# Altium PCB BGA_faser_v2.PcbDoc (part 4 of 5) (continued)
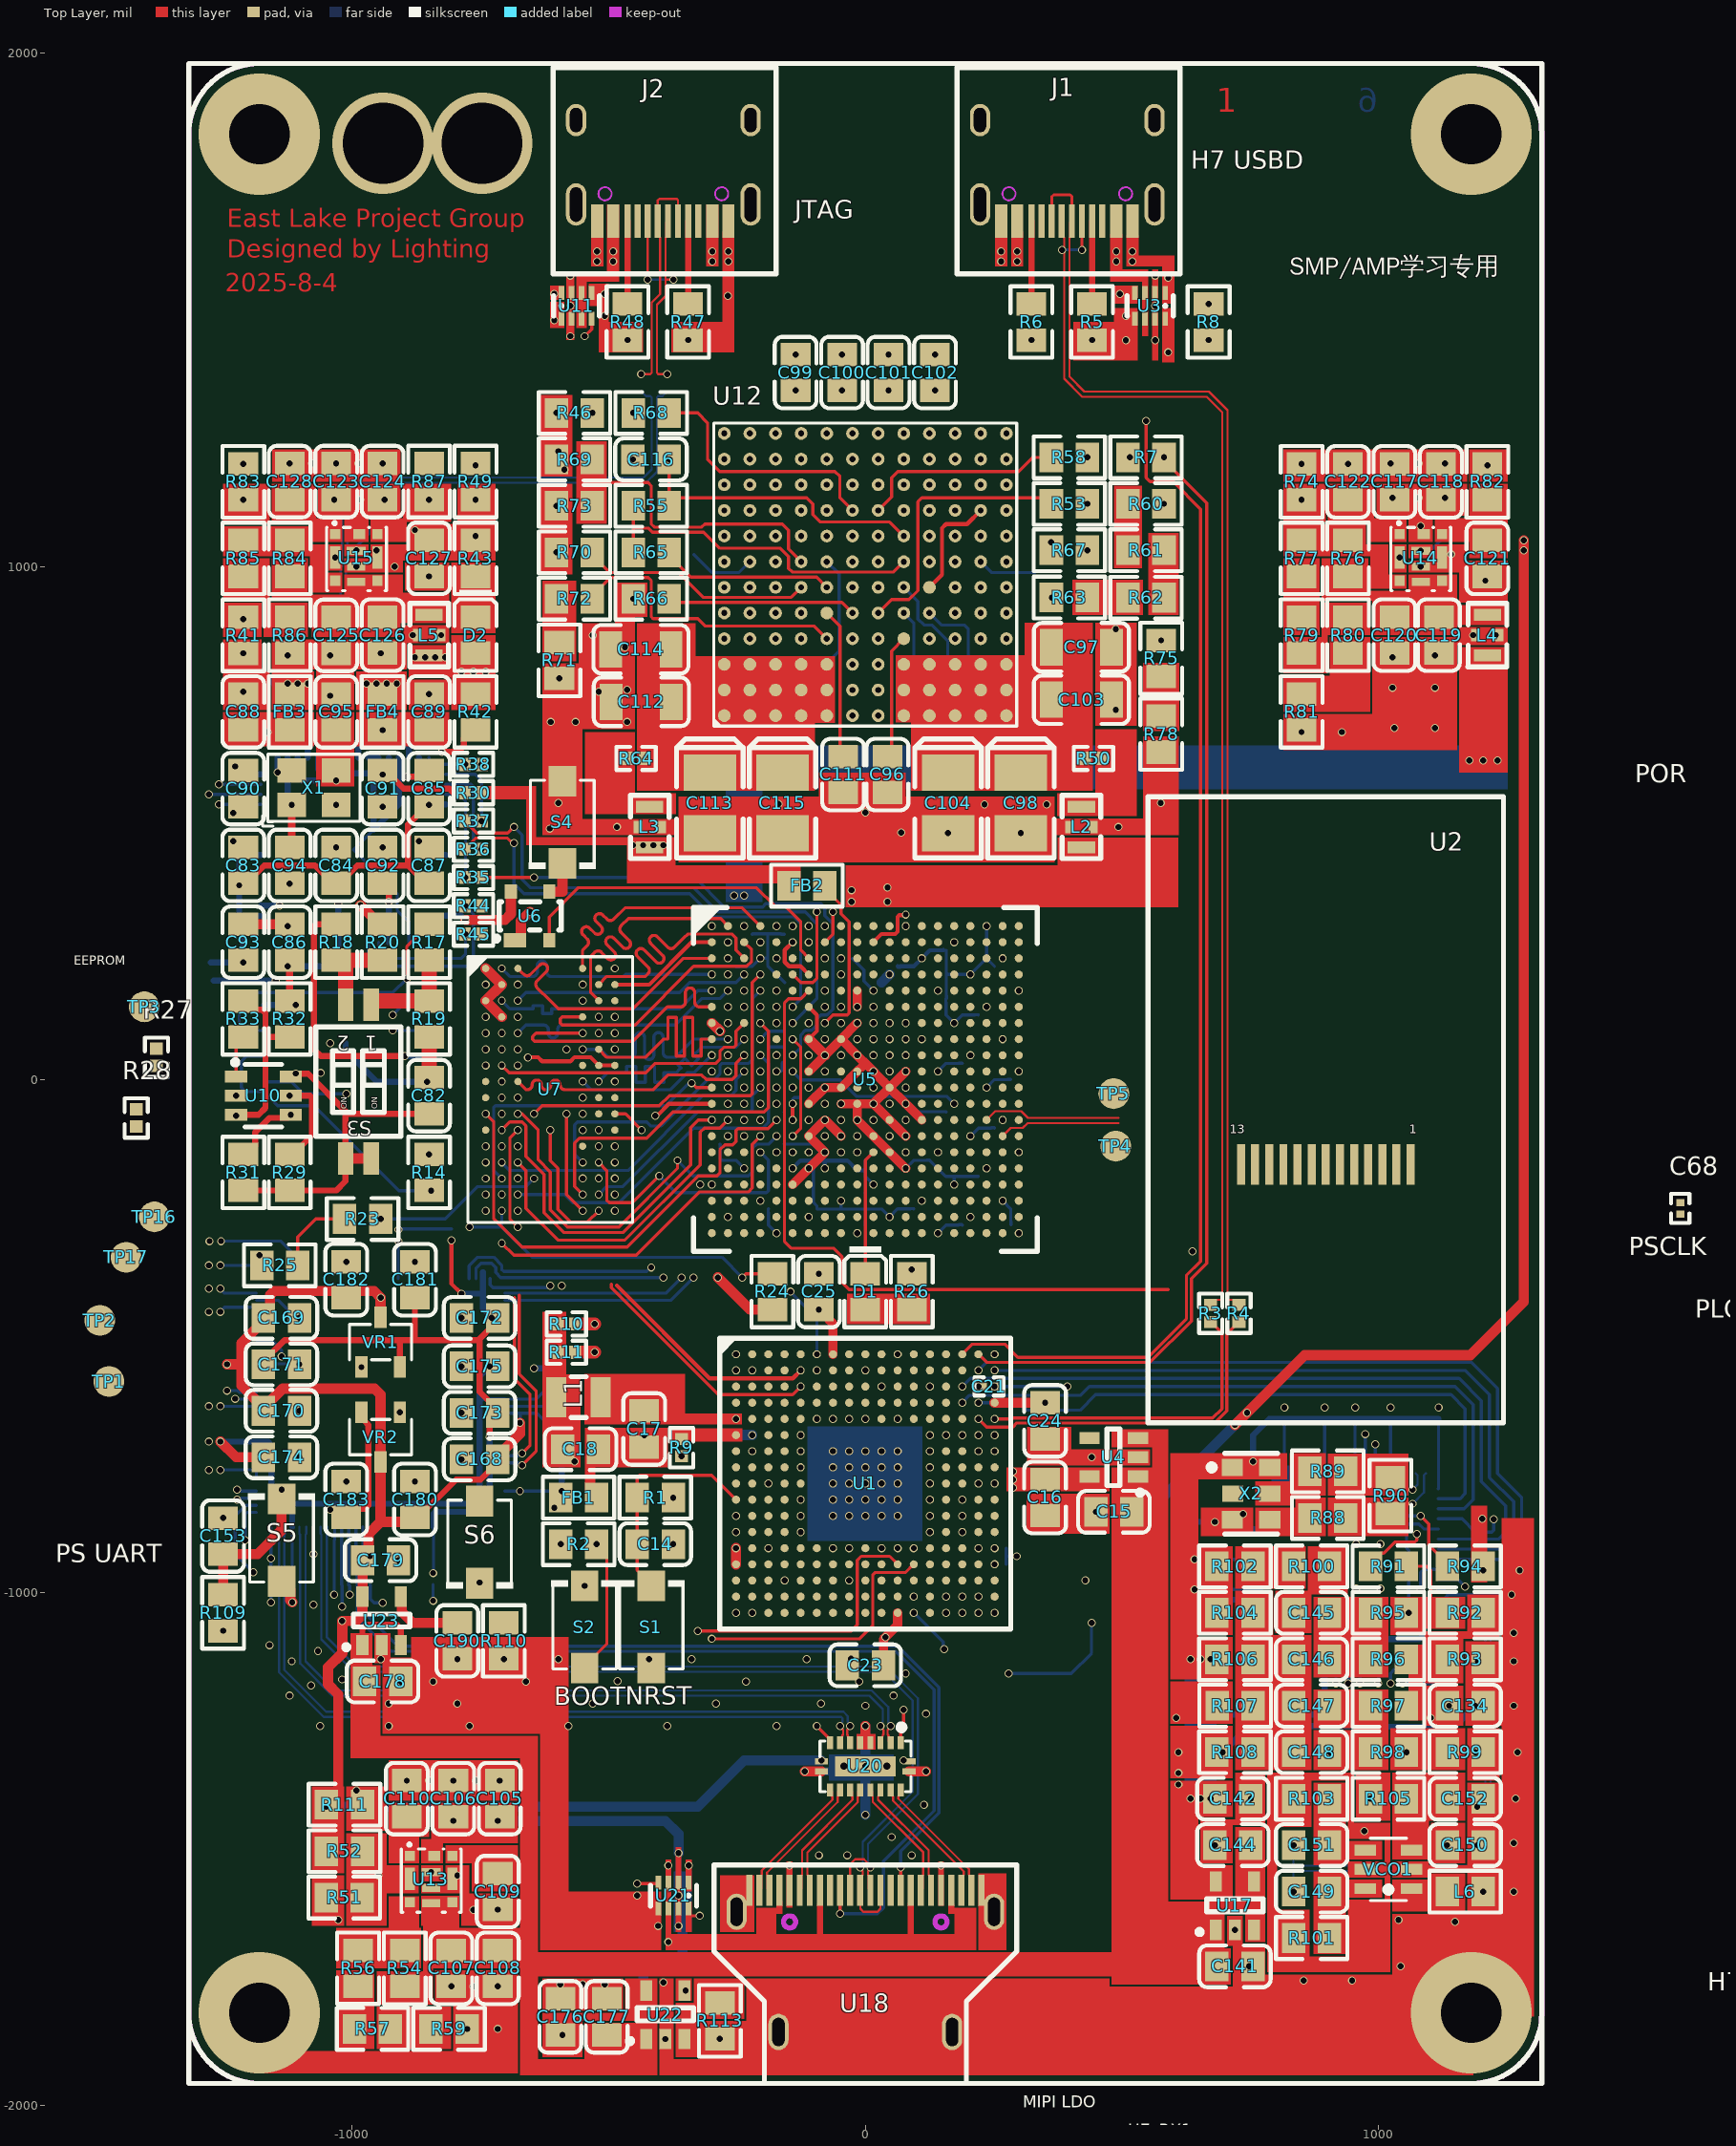
[diagram p0: Top Layer view]
## Nets (pads, with @x,y where several pads share a name; then routed paths per layer and width w, separated by ;. In a path a pad name is that pad's centre, name@x,y a point inside that pad or via, vN(x,y) a via of type N, cw(c..) or ccw(c..) an arc to the next point about the centre after c; other vN are vias at no path point) (continued)
  Bottom Layer w6.16: v1(-145.67,-413.39) -145.67,-413.75 -94.49,-464.93 v1(-94.49,-535.43) ; v1(94.49,-1039.37) 95.28,-1039.37 151.71,-1095.8 151.71,-1108.4 v1(153.54,-1110.24) ; v1(251.97,-598.43) v1(393.7,-598.43)
VDD_SDC: C18.2 L1.2 R10.2 R11.2 U1.G2 | length 361.1
  Layer 3 w5.61: v1(-566.93,-744.09) -447.45,-744.09 -439.57,-751.97 -248.03,-751.97 v1(-220.47,-724.41)
VDDSMPS: R9.2 U1.F1
VJTAG: J2.2 J2.11 U11.3 U11.6 | length 12.3
  Top Layer w6.16: J2.2@-306.96,1681.96 J2.2@-298.23,1673.23
  other v1: -491.65,1594.49 -298.23,1594.49 -491.65,1614.17 -298.23,1614.17
VJTAG_ON: R49.2 U11.4 | length 471.8
  Top Layer w6.16: v1(-547.24,1448.82) -533.46,1462.6 U11.4@-533.46,1482.67
  Layer 3 w5.61: v1(-759.84,1196.85) -602.36,1196.85 -547.24,1251.97 v1(-547.24,1448.82)
VJTAG_ON_S: R46.2 U11.8 | length 302.6
  Layer 3 w5.61: v1(-606.3,1531.5) -539.37,1531.5 -531.5,1523.62 -531.5,1299.61 v1(-531.89,1299.21)
VMCU: J1.2 J1.11 U3.3 U3.6
  other v1: 296.26,1594.49 489.17,1594.49 296.26,1614.17 489.17,1614.17
VMCU_3V3: C1.2 C2.2 C3.2 C4.2 C5.2 C6.2 C7.2 C8.2 C9.2 C10.2 C11.2 C12.2 C13.2 C16.2 R1.2 R9.1 S2.2 U1.B1 U1.E6 U1.E7 U1.E9 U1.E11 U1.F5 U1.F17 U1.G5 U1.G13 U1.G17 U1.H5 U1.H13 U1.J13 U1.K5 U1.K13 U1.L1 U1.L5 U1.L13 U1.M1 U1.M5 U1.M13 U1.N7 U1.N8 U1.N10 U1.N11 U1.N12 U1.P17 U2.10 U4.5 | length 276.3
  Top Layer w6.16: U1.M1@-253.8,-883.73 v1(-251.97,-881.89)
  PWR w10: v1(-251.97,-566.93) -235.24,-583.66 -148.22,-583.66 -142.36,-589.52 -142.36,-676.53 v1(-125.99,-692.91) ; v1(94.49,-913.38) 101.3,-920.2 110.87,-929.76 ; 236.85,-929.76 v1(251.97,-944.88)
  other v1: -547.24,-986.81 -62.99,-913.38 -31.5,-913.38 31.49,-913.38 62.99,-913.38 -125.99,-881.89 125.98,-881.89 -251.97,-850.39 -125.99,-850.39 125.98,-850.39 -125.99,-818.9 125.98,-818.89 -374.41,-814.96 287.4,-795.28 125.98,-787.4 287.4,-779.53 287.4,-763.78 -125.99,-755.9 125.98,-755.9 -358.27,-734.26 -125.99,-724.41 125.98,-724.41 251.97,-724.41 251.97,-692.91 -94.49,-661.41 -62.99,-661.42 0,-661.41 62.99,-661.41
VMCU_ON: R8.2 U1.A15 U3.4 | length 2748.2
  Top Layer w6.16: U1.A15@188.97,-535.43 208.65,-515.75 271.65,-515.75 297.43,-541.52 551.12,-541.52 625.98,-466.65 625.98,-381.89 653.54,-354.33 653.54,1111.86 600.05,1165.35 555.12,1165.35 547.24,1173.23 v1(547.24,1283.46)
  Layer 3 w5.61: v1(496.06,1531.5) 547.24,1531.5 ; v1(547.24,1283.46) 547.24,1531.5 ; v1(669.29,1511.81) 649.61,1531.5 547.24,1531.5
VMCU_ON_S: R7.2 U1.A16 U3.8 | length 2393.2
  Top Layer w6.16: U1.A16@220.47,-535.43 236.22,-551.18 555.12,-551.18 635.64,-470.65 635.64,-387.98 665.35,-358.27 665.35,1123.43 582.28,1206.5 v1(582.28,1212.6)
  Layer 3 w5.61: v1(582.28,1212.6) 582.28,1310.63 590.55,1318.9 v1(590.55,1417.32)
VREF502: R12.1 R13.2 U5.H6 U5.P6 | length 202
  Top Layer w6.16: v1(-141.73,-110.24) -125.98,-94.49 -125.98,63 v1(-141.73,78.74)
VREF_501: R21.1 R22.2 U5.E11 | length 79.8
  Bottom Layer w6.16: R22.2@-24.8,236.22 -24.8,235.43 -2.8,213.43 -2.8,191.79 v1(15.75,173.23)
VREF_DDR: U7.H1 U7.M8
  other v1: -519.69,-129.92
X32KI: U19.9
X32KO: U19.10
ZQ: R23.1 U7.L8 | length 529.2
  Layer 3 w5.61: v1(-645.67,-192.91) -645.67,-137.8 -622.05,-114.17 -535.43,-114.17 v1(-519.69,-98.43)
  Bottom Layer w6.16: v1(-944.88,-271.65) -818.9,-271.65 -755.91,-208.66 -661.42,-208.66 v1(-645.67,-192.91)
pads on no net: J1.3 J1.9 J2.3 J2.9 U1.A5 U1.A9 U1.A10 U1.A11 U1.A12 U1.A13 U1.B9 U1.B11 U1.B12 U1.B13 U1.C11 U1.K16 U1.K17 U1.L16 U1.L17 U1.M16 U1.M17 U2.1 U2.2 U2.3 U2.4 U2.5 U2.6 U2.7 U2.9 U2.11 U2.12 U4.4 U5.A9 U5.A10 U5.A11 U5.A12 U5.A14 U5.A15 U5.A16 U5.A17 U5.A19 U5.A20 U5.B5 U5.B9 U5.B12 U5.B13 U5.B14 U5.B15 U5.B17 U5.B18 U5.B19 U5.B20 U5.C6 U5.C10 U5.C11 U5.C12 U5.C13 U5.C15 U5.C16 U5.C17 U5.C18 U5.C20 U5.D5 U5.D8 U5.D10 U5.D11 U5.D13 U5.D14 U5.D15 U5.D16 U5.D18 U5.D19 U5.D20 U5.E6 U5.E9 U5.E12 U5.E13 U5.E14 U5.E16 U5.E17 U5.E18 U5.E19 U5.F12 U5.F13 U5.F14 U5.F15 U5.F16 U5.F17 U5.F19 U5.F20 U5.G14 U5.G15 U5.G17 U5.G18 U5.G19 U5.G20 U5.H15 U5.H16 U5.H17 U5.H18 U5.H20 U5.J14 U5.J15 U5.J16 U5.J18 U5.J19 U5.J20 U5.K9 U5.K14 U5.K16 U5.K17 U5.K18 U5.K19 U5.L10 U5.L14 U5.L15 U5.L16 U5.L17 U5.L19 U5.L20 U5.M14 U5.M15 U5.M17 U5.M18 U5.M19 U5.M20 U5.N15 U5.N16 U5.N17 U5.N20 U5.P14 U5.P15 U5.P16 U5.P18 U5.P20 U5.R14 U5.R16 U5.R17 U5.R18 U5.R19 U5.T5 U5.T9 U5.T10 U5.T11 U5.T12 U5.T14 U5.T15 U5.T16 U5.T17 U5.T19 U5.T20 U5.U5 U5.U7 U5.U8 U5.U9 U5.U10 U5.U12 U5.U13 U5.U14 U5.U15 U5.U17 U5.U18 U5.U19 U5.U20 U5.V5 U5.V6 U5.V7 U5.V8 U5.V10 U5.V11 U5.V12 U5.V13 U5.V15 U5.V16 U5.V17 U5.V18 U5.V20 U5.W6 U5.W8 U5.W9 U5.W10 U5.W11 U5.W13 U5.W14 U5.W15 U5.W16 U5.W18 U5.W19 U5.W20 U5.Y6 U5.Y7 U5.Y8 U5.Y9 U5.Y11 U5.Y12 U5.Y13 U5.Y14 U5.Y16 U5.Y17 U5.Y18 U5.Y19 U7.J1 U7.J9 U7.L1 U7.L9 U7.M7 U9.21 U9.22 U9.23 U9.24 U9.26 U9.27 U9.28 U9.29 U9.30 U9.32 U9.33 U9.34 U9.36 U9.40 U9.41 U9.43 U9.44 U9.45 U9.46 U9.48 U9.52 U9.53 U9.54 U9.55 U9.57 U9.58 U9.59 U9.60 U16.15 U16.18 U16.19 U16.20 U16.25 U16.26 U16.39 U16.40 U16.42 U16.43 U16.52 U16.53 U16.55 U16.56 U18.A8 U18.B8 U19.5 U19.19 U19.20 U19.21 U19.24 U19.26 U19.27 U19.28 U19.29 U19.34 U19.35 U19.36 U19.37 U19.39 U19.40 U19.41 U19.42 U19.43 U19.44 U19.45 U19.46 U19.47 U19.48 U19.49 U19.50 U19.52 U19.53 U19.54 U19.55 U19.56 U19.57 U19.58 U19.59 U19.60 U19.67 U19.68 U19.69 U19.70 U19.71 U19.72 U19.73 U19.74 U19.75 U19.76 U19.77 U19.78 U19.79 U19.83 U19.84 U19.85 U19.86 U19.87 U19.92 U19.94 U19.95 U19.96 U19.97 U19.98 U19.99 U19.100 U19.101 U19.102 U19.103 U19.104 U19.106 U19.107 U19.108 U19.109 U19.110 U19.111 U19.112 U19.113 X2.2
copper on no net: | length 0
  other v1: 0,-566.93 62.99,-535.43

## Polygon pours and split planes (outlines as drawn)
IF_3V3 on PWR "NONET_L04_P-001" (solid, pour order 23): -1299.21,-303.15 -629.92,-303.15 -629.92,-1062.99 -1299.21,-1062.99
VCC_3V3 on PWR "NONET_L04_P-001" (solid, pour order 28): -700.79,887.8 -1244.09,887.8 -1244.09,245.08 -700.79,245.08
VMCU_3V3 on PWR "NONET_L04_P-001" (solid, pour order 22): -314.96,-492.13 307.09,-492.13 307.09,-669.29 -314.96,-669.29
VCC on PWR "NONET_L04_P-001" (solid, pour order 27): -248.03,1582.68 -248.03,1019.68 1303.15,1019.68 1303.15,1578.74
VCC on PWR "NONET_L04_P-001" (solid, pour order 26): -1066.93,1019.68 -248.03,1019.68 -248.03,1582.68 -1066.93,1582.68
VMCU_3V3 on PWR "NONET_L04_P-001" (solid, pour order 21): -653.54,-610.24 -653.54,-1062.99 307.09,-1062.99 307.09,-610.24
VMCU_3V3 on PWR "NONET_L04_P-001" (solid, pour order 19): 106.3,-681.1 264.76,-681.1 264.76,-741.14 106.3,-741.14
VCC on PWR "VCC_L04_P000" (solid, pour order 0): -248.03,1086.61 -98.43,1086.61 -98.43,1181.1 98.43,1181.1 98.43,1086.61 251.97,1086.61 251.97,1279.53 -248.03,1279.53
GND on GND1 "NONET_L04_P-001" (solid, pour order 24): -1318.9,-1956.69 1318.9,-1956.69 1318.9,1980.31 -1318.9,1980.31
GND on GND2 "NONET_L04_P-001" (solid, pour order 25): -1318.9,-1956.69 1318.9,-1956.69 1318.9,1980.31 -1318.9,1980.31

## Keep-outs
Keep-Out Layer:
  the board outline again, w10

## Other copper
Top Layer:
  rectangle net VCC_1V8: -740.16,546.25 -641.73,571.92
  rectangle net VCC_1V8: -661.42,456.69 -641.73,570.87
  rectangle net VCC_1V8: -661.42,456.69 -452.76,472.44
  rectangle net VCC_1V8: -464.57,381.89 -125.98,417.32
  rectangle net SEN: -370.08,-1795.28 -338.58,-1751.97
  rectangle net GND: 1169.29,-1259.84 1248.03,-1094.49
  rectangle net GND: 1181.1,-980.32 1212.6,-830.71
  rectangle net GND: -17.47,-1306.3 19.68,-1275.59
  rectangle net NetR60_1: 484.25,996.06 539.37,1157.48
  rectangle net NetD1_A: -35.43,-476.38 125.98,-417.32
  rectangle net GND: 1027.56,-1751.97 1220.47,-1625.98
  rectangle net GND: 775.59,-1775.59 1114.17,-1744.09
  rectangle net GND: 464.57,-1940.94 1185.04,-1767.72
  rectangle net GND: -1192.91,-1937.01 -677.17,-1893.7
  rectangle net GND: -586.61,-1696.85 -397.64,-1582.68
  rectangle net GND: -633.86,-1696.85 -578.74,-1094.49
  rectangle net GND: -885.83,-1141.73 -578.74,-1086.61
  rectangle net GND: -940.94,-1275.59 -578.74,-1125.98
  rectangle net GND: -956.69,-1137.8 -925.2,-1078.74
  rectangle net VCC_5V: -1003.94,-1196.85 -960.63,-1078.74
  rectangle net VCC_5V: -1003.94,-1318.9 -944.88,-1141.73
  rectangle net VCC_5V: -1003.94,-1322.83 -637.8,-1279.53
  rectangle net VCC_5V: -649.61,-1748.03 488.19,-1700.79
  rectangle net GND: 220.47,-1696.85 275.59,-1547.24
  rectangle net VCC_5V: 559.06,-799.21 590.55,-681.1
  rectangle net VCC_5V: 480.31,-716.54 590.55,-681.1
  rectangle net VCC_5V: 480.31,-1763.78 590.55,-755.91
  rectangle net GND: 385.83,-751.97 555.12,-720.47
  rectangle net GND: 314.96,-751.97 401.57,-677.17
  rectangle net GND: 314.64,-885.49 476.38,-807.09
  rectangle net VMCU_3V3: 275.59,-803.02 476.38,-755.91
  rectangle net BYPASS: 594.49,-1255.91 716.54,-1173.23
  rectangle net GND: 594.49,-1362.2 716.54,-1259.84
  rectangle net PLL_3V3: 594.49,-1169.29 649.61,-728.35
  rectangle net PLL_3V3: 637.8,-1169.29 716.54,-1086.61
  rectangle net GND: 708.66,-1452.76 728.35,-1441.72
  rectangle net GND: 720.47,-1452.76 779.53,-1350.39
  rectangle net GND: 653.18,-1527.56 716.54,-1441.72
  rectangle net VCC_5V: 696.85,-1763.78 712.6,-1692.87
  rectangle net GND: 716.54,-1787.4 779.53,-1685.04
  rectangle net GND: 704.72,-1688.98 736.22,-1629.92
  rectangle net VCC_5V: 692.91,-1625.98 751.97,-1602.37
  rectangle net VCC_5V: 740.16,-1681.1 779.53,-1602.36
  rectangle net VCC_5V: 547.24,-1763.78 700.79,-1602.36
  rectangle net PLL_3V3: 594.49,-1598.43 649.61,-1366.14
  rectangle net PLL_3V3: 645.67,-1437.01 716.54,-1366.14
  rectangle net PLL_3V3: 641.73,-1598.43 716.54,-1531.5
  rectangle net NetC144_2: 720.47,-1598.43 779.53,-1456.69
  rectangle net PLL_5V: 940.94,-1740.16 1023.62,-1598.43
  rectangle net PLL_5V: 783.46,-1740.16 960.63,-1708.66
  rectangle net PLL_5V: 783.46,-1366.14 952.76,-1350.49
  rectangle net PLL_5V: 783.46,-1708.66 803.15,-1358.27
  rectangle net PLL_5V: 799.21,-1456.69 870.08,-1358.27
  rectangle net PLL_5V: 783.46,-1728.35 866.14,-1618.11
  rectangle net PLL_5V: 940.94,-1456.69 952.76,-1362.2
  rectangle net GND: 1240.16,-1622.05 1303.15,-854.33
  rectangle net NetR91_2: 1090.55,-1070.87 1169.29,-1007.87
  rectangle net BYPASS: 1090.55,-1259.84 1165.35,-1181.1
  rectangle net NetR92_2: 1161.42,-1090.55 1177.17,-1074.8
  rectangle net NetR92_2: 1173.23,-1090.55 1236.22,-1003.94
  rectangle net NetR92_2: 1090.55,-1177.17 1165.35,-1074.8
  rectangle net CP: 1023.62,-1082.68 1086.61,-1007.87
  rectangle net LF: 1173.23,-1366.14 1236.22,-1263.78
  rectangle net LF: 956.69,-1444.88 1023.62,-1350.39
  rectangle net GND: 1173.23,-1826.77 1303.15,-1370.08
  rectangle net GND: 1094.49,-1543.31 1185.04,-1531.5
  rectangle net NetL6_2: 1102.36,-1622.05 1169.29,-1547.24
  rectangle net GND: 1027.24,-1555.12 1098.43,-1523.62
  rectangle net PLL_5V: 940.94,-1622.05 1015.75,-1598.43
  rectangle net PLL_5V: 940.94,-1480.32 1015.75,-1448.82
  rectangle net PLL_5V: 1102.36,-1527.56 1169.29,-1448.82
  rectangle net PLL_5V: 1011.88,-1622.05 1023.58,-1448.82
  rectangle net PLL_5V: 940.94,-1555.12 1015.75,-1524.31
  rectangle net TUNE: 1027.56,-1519.69 1098.43,-1437.01
  rectangle net TUNE: 1027.56,-1444.88 1169.29,-1350.39
  rectangle net NetL6_2: 1027.56,-1622.05 1165.35,-1559.06
  rectangle net VCO_P: 929.13,-1594.49 1007.87,-1559.06
  rectangle net VCO_P: 874.02,-1704.72 937.01,-1543.31
  rectangle net VCO_N: 929.13,-1519.69 1007.87,-1484.25
  rectangle net VCO_N: 874.02,-1531.5 937.01,-1370.08
  rectangle net REF_IN_n: 901.57,-811.02 1059.06,-729.04
  rectangle net NetR96_2: 1059.06,-1249.38 1086.61,-1100.98
  rectangle net NetC148_2: 1023.62,-1346.46 1169.29,-1263.78
  rectangle net NetC148_2: 874.02,-1346.46 948.82,-1267.72
  rectangle net NetC147_2: 952.76,-1346.46 1019.68,-1259.84
  rectangle net NetC147_2: 874.02,-1263.78 1019.68,-1188.98
  rectangle net NetC145_1: 862.2,-1003.94 940.94,-909.45
  rectangle net NetC145_1: 799.21,-1078.74 870.08,-996.06
  rectangle net NetR102_1: 653.54,-1082.68 716.54,-909.45
  rectangle net LF_COMMON: 787.4,-1346.46 870.08,-1082.68
  rectangle net LF_COMMON: 720.47,-1346.46 795.28,-996.06
  rectangle net NetR100_1: 720.47,-992.13 858.27,-909.45
  rectangle net NetC145_2: 929.13,-1082.68 1019.68,-1007.87
  rectangle net NetC145_2: 874.02,-1165.35 1019.68,-1007.87
  rectangle net PLL_3V3: 645.67,-779.53 822.83,-728.35
  rectangle net GND: 653.54,-889.76 755.91,-834.65
  rectangle net REF_IN_p: 901.57,-889.76 1059.06,-814.96
  rectangle net REFC_p: 838.58,-858.27 897.64,-814.96
  rectangle net REFC_p: 759.84,-889.76 897.64,-834.65
  rectangle net REFC_n: 826.77,-811.02 897.64,-728.35
  rectangle net REFC_n: 759.84,-830.71 834.65,-783.46
  rectangle net VCC_5V: -673.23,-1940.94 -405.51,-1909.45
  rectangle net VCC_5V: -673.23,-1940.94 -637.8,-1279.53
  rectangle net GND: -283.46,-1661.42 -216.54,-1551.18
  rectangle net GND: -232.28,-1940.94 476.38,-1751.97
  rectangle net GND: -401.57,-1940.94 -314.96,-1909.45
  rectangle net GND: -322.83,-1940.94 -220.47,-1834.65
  rectangle net GND: -401.57,-1917.32 -374.02,-1751.97
  rectangle net NetR113_2: -334.65,-1830.71 -236.22,-1751.97
  rectangle net NetR113_2: -370.08,-1905.51 -326.77,-1799.21
  rectangle net GND: -629.92,-1814.96 -472.44,-1751.97
  rectangle net VCC: -468.5,-1822.83 -405.51,-1751.97
  rectangle net VCC: -629.92,-1834.65 -405.51,-1818.9
  rectangle net VCC: -629.92,-1905.51 -551.18,-1822.83
  rectangle net VCC_5V: -547.24,-1913.39 -405.51,-1838.58
  rectangle net GND: -929.13,-1405.51 -677.17,-1326.77
  rectangle net VBUS_ON_S: -1011.81,-1464.57 -933.07,-1377.95
  rectangle net RESETn: -1078.74,-1649.61 -1015.75,-1551.18
  rectangle net IF_3V3: -1078.74,-1547.24 -1015.75,-1377.95
  rectangle net SWPLL: -866.14,-1562.99 -822.83,-1531.5
  rectangle net GND: -803.15,-1905.51 -677.17,-1791.34
  rectangle net NetR57_1: -952.76,-1889.76 -807.09,-1807.09
  rectangle net GND: -838.58,-1803.15 -677.17,-1736.22
  rectangle net VCC_5V: -862.2,-1732.28 -637.8,-1653.54
  rectangle net VCC_5V: -854.33,-1657.48 -791.34,-1645.67
  rectangle net VCC_5V: -862.2,-1748.03 -842.52,-1637.8
  rectangle net VCC_5V: -952.76,-1803.15 -842.52,-1737.61
  rectangle net NetR56_2: -1031.5,-1889.76 -956.69,-1736.22
  rectangle net NetR54_1: -1031.5,-1732.28 -866.14,-1653.54
  rectangle net NetR54_1: -929.13,-1732.28 -870.08,-1592.03
  rectangle net GND: -787.4,-1594.49 -771.65,-1574.8
  rectangle net VCC_5V: -866.14,-1649.61 -791.34,-1590.55
  rectangle net GND: -787.4,-1649.61 -677.17,-1586.61
  rectangle net GND: -818.9,-1586.61 -771.65,-1531.5
  rectangle net GND: -866.14,-1586.61 -779.53,-1566.93
  rectangle net IF3V3EN: -767.72,-1582.68 -677.17,-1523.62
  rectangle net IF3V3EN: -818.9,-1527.56 -677.17,-1492.13
  rectangle net VCC: -866.14,-1527.56 -822.83,-1480.32
  rectangle net VCC: -846.46,-1488.19 -677.17,-1409.45
  rectangle net SSP3V3: -881.89,-1476.38 -850.39,-1409.45
  rectangle net SSP3V3: -929.13,-1527.56 -870.08,-1409.45
  rectangle net NetR51_2: -944.88,-1586.61 -870.52,-1531.5
  rectangle net NetR51_2: -1011.81,-1649.61 -933.07,-1468.5
  rectangle net VMCU_ON_S: 578.74,1397.64 602.36,1503.94
  rectangle net VMCU_ON: 484.25,1511.81 531.5,1547.24
  rectangle net GND: 484.25,1401.57 531.5,1503.94
  rectangle net GND: 405.51,1401.57 527.56,1476.38
  rectangle net GND: 578.74,1511.81 602.36,1586.61
  rectangle net GND: 508.86,1584.65 602.36,1606.3
  rectangle net VCC: 559.06,1401.57 570.87,1578.74
  rectangle net VMCU: 477.36,1555.12 551.18,1578.74
  rectangle net VMCU: 539.37,1448.82 551.18,1578.74
  rectangle net 1V0: 59.06,695.87 351.38,826.77
  rectangle net PHASMD: -562.99,1082.68 -503.94,1244.09
  rectangle net VCC: -633.88,1174.94 -570.87,1334.65
  rectangle net GND: -452.36,901.57 -425.2,968.5
  rectangle net GND: -488.19,877.95 -448.82,968.5
  rectangle net GND: -633.86,984.25 -570.87,1161.42
  rectangle net GND: -795.28,1047.24 -720.47,1161.42
  rectangle net VJTAG_ON_S: -614.17,1519.68 -586.41,1547.24
  rectangle net GND: -614.17,1464.57 -586.61,1515.75
  rectangle net GND: -377.95,1417.32 -267.72,1476.38
  rectangle net GND: -519.69,1417.32 -433.07,1476.38
  rectangle net GND: -519.69,1417.32 -500,1511.81
  rectangle net VCC: -582.68,1440.94 -566.93,1574.8
  rectangle net GND: -539.37,1507.87 -500,1551.18
  rectangle net VJTAG: -562.99,1464.57 -543.31,1574.8
  rectangle net VJTAG: -503.94,1555.12 -479.33,1594.49
  rectangle net VJTAG: -562.99,1555.12 -484.25,1574.8
  rectangle net GND: -153.54,-1614.17 -141.73,-1523.62
  rectangle net VBUS: -173.3,-1625.98 -161.42,-1600.69
  rectangle net VBUS: -212.6,-1685.04 -173.23,-1614.17
  rectangle net VBUS: -196.85,-1625.98 -161.42,-1614.17
  rectangle net VBUS: -389.76,-1696.85 196.85,-1665.35
  rectangle net VBUS: -389.76,-1685.04 -377.95,-1519.69
  rectangle net VBUS: 82.68,-1673.23 94.49,-1605.04
  rectangle net VBUS: 173.23,-1696.85 216.54,-1614.17
  rectangle net VBUS: -94.49,-1677.17 -82.68,-1606.3
  rectangle net VBUS: 161.42,-1625.98 196.85,-1614.17
  rectangle net VBUS: 161.42,-1625.98 173.23,-1606.75
  rectangle net VBUS_ON_S: -350.39,-1661.42 -338.58,-1602.36
  rectangle net GND: -350.39,-1582.68 -338.58,-1519.69
  rectangle net GND: -409.45,-1661.42 -397.64,-1598.43
  rectangle net VCC: -370.08,-1661.42 -358.27,-1496.06
  rectangle net GND: 141.73,-1610.24 153.54,-1523.62
  rectangle net VDD_SDC: -629.92,-755.91 -555.12,-574.8
  rectangle net GND: -90.55,531.5 78.74,598.43
  rectangle net GND: 1145.67,846.46 1169.29,862.2
  rectangle net GND: 1157.48,846.46 1251.97,882.13
  rectangle net GND: 1157.48,929.13 1251.97,996.06
  rectangle net GND: 988.19,685.04 1153.54,862.2
  rectangle net GND: 814.96,641.73 1153.54,712.6
  rectangle net GND: 901.57,1165.35 1173.23,1228.35
  rectangle net GND: 1110.24,1007.87 1173.23,1043.31
  rectangle net GND: 1059.06,988.19 1251.97,1011.81
  rectangle net GND: -889.76,720.47 -811.02,779.53
  rectangle net GND: -1251.97,720.47 -1161.42,795.28
  rectangle net GND: -1070.87,720.47 -996.06,811.02
  rectangle net GND: -1251.97,862.2 -1177.17,929.13
  rectangle net GND: -1156.51,1165.35 -905.51,1228.35
  rectangle net GND: -900.51,850.39 -811.02,885.38
  rectangle net GND: -1157.48,799.21 -893.7,858.27
  rectangle net GND: -964.57,1011.81 -870.08,1043.31
  rectangle net GND: -888.86,1011.81 -720.47,1083.07
  rectangle net GND: -1015.85,988.19 -901.57,1015.68
  rectangle net GND: -629.92,476.38 -551.18,710.63
  rectangle net GND: -629.92,684.06 -539.37,811.02
  rectangle net GND: -559.06,682.54 -448.82,889.76
  rectangle net GND: 541.34,476.38 611.22,669.29
  rectangle net GND: 447.83,688.98 529.53,890.64
  rectangle net GND: 361.22,476.38 546.26,508.86
  rectangle net GND: -364.17,423.23 369.09,551.18
  rectangle net GND: -623.03,476.38 -106.3,507.87
  rectangle net GND: 508.86,1584.65 532.48,1645.67
  rectangle net GND: 252.95,1584.65 276.57,1646.65
  rectangle net GND: -278.54,1417.32 -254.92,1652.56
  rectangle net GND: -534.45,1584.65 -510.83,1651.57
  rectangle net VCC_1V5: 1157.48,598.43 1251.97,842.52
  rectangle net PRE_1V5: 1133.86,885.83 1252.44,925.2
  rectangle net NetR80_1: 814.77,716.43 984.25,787.3
  rectangle net NetR79_2: 889.76,854.33 901.57,874.02
  rectangle net NetR80_1: 905.51,767.72 984.25,862.2
  rectangle net NetR79_2: 889.76,866.14 984.25,929.13
  rectangle net NetR79_2: 814.96,791.34 901.57,862.2
  rectangle net PRE_1V5: 988.19,866.14 1153.54,940.94
  rectangle net NetR77_2: 814.96,866.14 885.83,1015.75
  rectangle net INTVCC: 814.96,1165.35 897.64,1228.35
  rectangle net PG_1V8: 1177.17,1165.35 1251.97,1228.35
  rectangle net RUN_1V5: 1177.17,1015.75 1251.97,1161.42
  rectangle net RUN_1V5: 1110.24,1047.24 1251.97,1094.49
  rectangle net SW3: 1059.06,1015.75 1106.3,1043.31
  rectangle net PG_1V5: 1023.62,988.19 1055.12,1043.31
  rectangle net PRE_1V5: 1059.06,948.82 1153.54,984.25
  rectangle net PRE_1V5: 976.38,933.07 1153.54,952.76
  rectangle net PRE_1V5: 889.76,933.07 980.31,1015.75
  rectangle net PG_1V5: 814.96,1086.61 897.64,1161.42
  rectangle net NetR76_1: 968.5,1019.68 988.19,1043.31
  rectangle net NetR76_1: 984.25,956.69 1019.68,1043.31
  rectangle net NetR76_1: 984.25,956.69 1055.12,984.25
  rectangle net NetR76_1: 814.96,1019.68 976.23,1082.45
  rectangle net SS1V5: 980.31,1047.24 1055.12,1094.49
  rectangle net SS1V5: 901.57,1086.61 992.13,1161.42
  rectangle net VCC: 1059.06,1047.24 1106.3,1106.3
  rectangle net VCC: 996.06,1098.43 1173.23,1161.42
  rectangle net VCC_3V3: -807.09,720.47 -720.47,866.14
  rectangle net VCC_3V3: -992.13,720.47 -893.7,795.28
  rectangle net NetC89_1: -992.13,649.61 -811.02,716.54
  rectangle net VCC_3V3: -1157.48,720.47 -1074.8,795.28
  rectangle net NetR85_2: -1173.23,862.2 -1086.61,929.13
  rectangle net OSCO: -1070.87,570.87 -996.06,716.54
  rectangle net NetC88_1: -1251.97,649.61 -1074.8,716.54
  rectangle net NetR41_2: -1251.97,799.21 -1177.17,858.27
  rectangle net PG_3V3: -1251.97,1082.68 -1161.42,1161.42
  rectangle net VCC_3V3: -889.76,783.46 -791.34,846.46
  rectangle net PG_3V3: -1047.24,992.13 -1019.69,1043.31
  rectangle net SW4: -1015.75,1019.68 -968.5,1043.31
  rectangle net NetD2_K: -807.09,870.08 -720.47,1007.39
  rectangle net RUN_3V3: -897.64,952.76 -811.02,1007.87
  rectangle net NetC125_2: -909.45,889.76 -811.02,948.82
  rectangle net RUN_3V3: -901.57,1086.61 -807.09,1161.42
  rectangle net RUN_3V3: -964.57,1047.24 -893.7,1094.49
  rectangle net NetR85_2: -1173.23,921.26 -1161.42,940.94
  rectangle net NetR85_2: -1251.97,933.07 -1161.42,1015.75
  rectangle net NetC125_2: -1087.32,933.07 -1062.99,944.88
  rectangle net NetC125_2: -1015.75,929.13 -901.57,984.25
  rectangle net NetC125_2: -1078.74,862.2 -905.51,944.88
  rectangle net NetC125_2: -1157.48,933.07 -1086.61,1015.75
  rectangle net NetR84_1: -1090.52,1019.68 -1078.74,1043.31
  rectangle net NetR84_1: -1082.68,948.82 -1051.18,1043.31
  rectangle net NetR84_1: -1070.87,948.82 -1019.69,988.19
  rectangle net NetR84_1: -1251.97,1019.68 -1082.68,1078.74
  rectangle net SS3V3: -1078.74,1047.24 -1019.69,1094.49
  rectangle net SS3V3: -1157.27,1082.68 -1070.87,1161.11
  rectangle net VCC: -1015.75,1047.24 -968.5,1106.3
  rectangle net VCC: -1066.93,1098.43 -905.51,1161.42
  rectangle net VDD_SDC: -629.92,-578.74 -582.68,-452.76
  rectangle net VDDSMPS: -375.98,-705.71 -239.17,-680.12
  rectangle net SMPS_GND: -546.26,-755.91 -384.84,-679.13
  rectangle net LX: -547.24,-672.24 -351.38,-573.82
  rectangle net LX: -539.37,-672.24 -240.16,-650.59
  rectangle net LX: -540.35,-663.39 -351.38,-616.14
  rectangle net VCC_1V8: -464.57,401.57 -370.08,472.44
  rectangle net VCC_1V0: -38.39,335.63 400.59,417.32
  rectangle net VCC_1V0: 375,335.63 610.24,471.46
  rectangle net NetR71_2: -629.92,814.96 -562.99,972.44
  rectangle net NetR61_2: 551.18,905.51 611.22,1064.96
  rectangle net NetR62_2: 403.54,905.51 541.34,974.41
  rectangle net NetR75_1: 541.34,679.13 612.2,812.01
  rectangle net PRE_1V0: 374.02,513.78 529.53,558.07
  rectangle net PRE_1V0: 447.83,518.7 529.53,683.07
  rectangle net 1V0: 88.58,562.99 443.9,701.77
  rectangle net 1V0: 310.04,593.5 443.9,890.75
  rectangle net PRE_1V8: -546.26,516.73 -369.09,558.07
  rectangle net PRE_1V8: -546.26,516.73 -448.82,677.17
  rectangle net 1V8: -337.6,562.99 -98.43,707.68
  rectangle net 1V8: -339.57,694.88 -59.06,824.8
  rectangle net 1V8: -444.88,562.99 -330.71,889.76
  rectangle net VMCU: 477.36,1555.12 500.98,1647.64
  rectangle net VMCU: 284.45,1584.65 308.07,1653.01
  rectangle net VJTAG: -310.04,1584.65 -286.42,1705.71
  rectangle net VJTAG: -503.94,1584.65 -479.33,1705.71
  region: 419.78,430.01
  region: 419.78,430.01
  region: 419.78,430.01
  region: 419.78,430.01
  region: 419.78,430.01
  region: 419.78,430.01
  region: 419.78,430.01
  region: 419.78,430.01
  region: 419.78,430.01
  region: 419.78,430.01
  region: 419.78,430.01
  region: 419.78,430.01
  region: 419.78,430.01
  region: 419.78,430.01
  region: 419.78,430.01
  region: 419.78,430.01
  region: 419.78,430.01
  region: 419.78,430.01
  region: 419.78,430.01
  region: 419.78,430.01
  region: 419.78,430.01
  region: 419.78,430.01
  region: 419.78,430.01
  region: 419.78,430.01
  region: 419.78,430.01
  region: 419.78,430.01
  region: 419.78,430.01
  region: 419.78,430.01
  region: 419.78,430.01
  region: 419.78,430.01
  region: 419.78,430.01
  region: 419.78,430.01
  region: 419.78,430.01
  region: 419.78,430.01
  region: 419.78,430.01
  region: 419.78,430.01
  region: 419.78,430.01
  region: 419.78,430.01
  region: 419.78,430.01
  region: 419.78,430.01
  region: 419.78,430.01
  region: 419.78,430.01
  region: 419.78,430.01
  region: 419.78,430.01
  region: 419.78,430.01
  region: 419.78,430.01
  region: 419.78,430.01
  region: 419.78,430.01
  region: 419.78,430.01
  region: 419.78,430.01
  region: 419.78,430.01
  region: 419.78,430.01
  region: 419.78,430.01
  region: 419.78,430.01
  region: 419.78,430.01
  region: 419.78,430.01
  region: 419.78,430.01
  region: 419.78,430.01
  region: 419.78,430.01
  region: 419.78,430.01
  region: 419.78,430.01
  region: 419.78,430.01
  region: 419.78,430.01
  region: 419.78,430.01
  region: 419.78,430.01
  region: 419.78,430.01
  region: 419.78,430.01
  region: 419.78,430.01
  region: 419.78,430.01
  region: 419.78,430.01
  region: 419.78,430.01
  region: 419.78,430.01
  text "1" at 684.4,1870.36 h78.74
  text "East Lake Project Group" at -1244.09,1649.07 h60
  text "Designed by Lighting" at -1244.09,1590.01 h60
  text "2025-8-4" at -1248.03,1523.62 h60
GND1:
  text "2" at 2732,-238.83 h78.74 r90
Layer 3:
  text "3" at 792.66,1870.36 h78.74
PWR:
  rectangle net VCC_3V3: -712.6,561.02 444.88,649.61
  rectangle net VCC_3V3: -1149.61,771.65 -799.21,807.09
  rectangle net VCC_1V5: -267.72,346.46 -224.41,377.95
  rectangle net VMCU: 476.38,1570.87 500,1625.98
  rectangle net VMCU: 283.46,1570.87 307.09,1625.98
  rectangle net VMCU: 283.46,1570.87 500,1602.36
  rectangle net VCC: -255.91,1260.83 251.97,1375
  rectangle net VJTAG: -503.94,1582.68 -287.4,1629.92
  rectangle net VMCU_3V3: -93.5,-893.7 34.45,-870.08
  rectangle net VMCU_3V3: -74.8,-925.2 -19.69,-870.08
  rectangle net VMCU_3V3: -137.8,-893.7 -83.66,-807.09
  rectangle net VMCU_3V3: -137.8,-767.72 -83.66,-681.1
  rectangle net VMCU_3V3: -111.22,-816.93 -83.66,-762.8
  rectangle net VMCU_3V3: -99.41,-703.74 106.3,-681.1
  rectangle net VMCU_3V3: -106.3,-692.91 -83.66,-649.61
  rectangle net VMCU_3V3: 19.68,-925.2 106.3,-870.08
  rectangle net VMCU_3V3: 83.66,-893.7 137.8,-712.6
  rectangle net VMCU_3V3: 83.66,-729.33 106.3,-681.1
  rectangle net VMCU_3V3: -11.81,-703.74 11.81,-649.61
  rectangle net VMCU_3V3: 51.18,-702.76 74.8,-648.62
  rectangle net VCC_3V3: -889.76,803.15 -795.28,846.46
  rectangle net VDD_LDO: 110.24,-1122.05 409.45,-1098.43
  rectangle net VDD_LDO: 377.95,-1122.05 409.45,-397.64
  rectangle net VDD_LDO: -464.57,-429.13 409.45,-397.64
  rectangle net VDD_LDO: -578.74,-500 -405.51,-397.64
  rectangle net VCAP: 27.56,-1094.49 370.08,-1074.8
  rectangle net VCAP: 318.9,-1094.49 370.08,-437.01
  rectangle net VCAP: -578.74,-598.43 -330.71,-511.81
  rectangle net VCAP: -393.7,-598.43 -330.71,-437.01
  rectangle net VCAP: -393.7,-480.32 370.08,-437.01
  rectangle net VCC_3V3: 374.02,-287.4 444.88,572.83
  rectangle net VCC_1V8: -464.57,401.57 151.57,468.5
  text "4" at 881.25,1870.36 h78.74
GND2:
  text "5" at 2732,-32.14 h78.74 r90
Bottom Layer:
  rectangle net PLL_3V3: 622.05,-1413.39 685.04,-1114.17
  rectangle net GND: -70.87,-1366.14 55.12,-1315.18
  rectangle net PLL_3V3: 791.34,-783.46 842.52,-751.97
  rectangle net PLL_3V3: 791.34,-1137.8 842.52,-1106.3
  rectangle net VBUS: -389.76,-1696.85 -377.95,-1519.69
  rectangle net VCC: -374.02,-1661.42 -338.58,-1543.31
  rectangle net VCC: -370.08,-1555.12 -358.27,-1464.57
  rectangle net GND: -113.19,-899.61 111.22,-676.18
  rectangle net VCC_1V5: -272,346 -200,651
  rectangle net VCC_1V5: -272,566 1251.97,651
  text "6" at 999.36,1870.36 h78.74
Multi-Layer:
  pour cut-out: 675.2,1934.05 675.2,1855.31 1009.84,1855.31 1009.84,1934.05